# Altium PCB PCB1-recovery2.PcbDoc (part 2 of 5)
Units mil, origin at the board's own origin, x right, y up, seen from the top; angles counter-clockwise.
Board outline 7874.02 x 4566.93 mil, 8 copper layers (HIGH_SPEED_TOP, GND PLANE1, LOW_SPEED, +1V8_3V3_5V, +12V, SIGNAL, GND_PLANE3, HIGH_SPEED_BOT), stack 62.99 mil thick; 506 components, 435 nets, 2446 pads, 256 vias.
Unrouted connection lines stored in the file: 953.
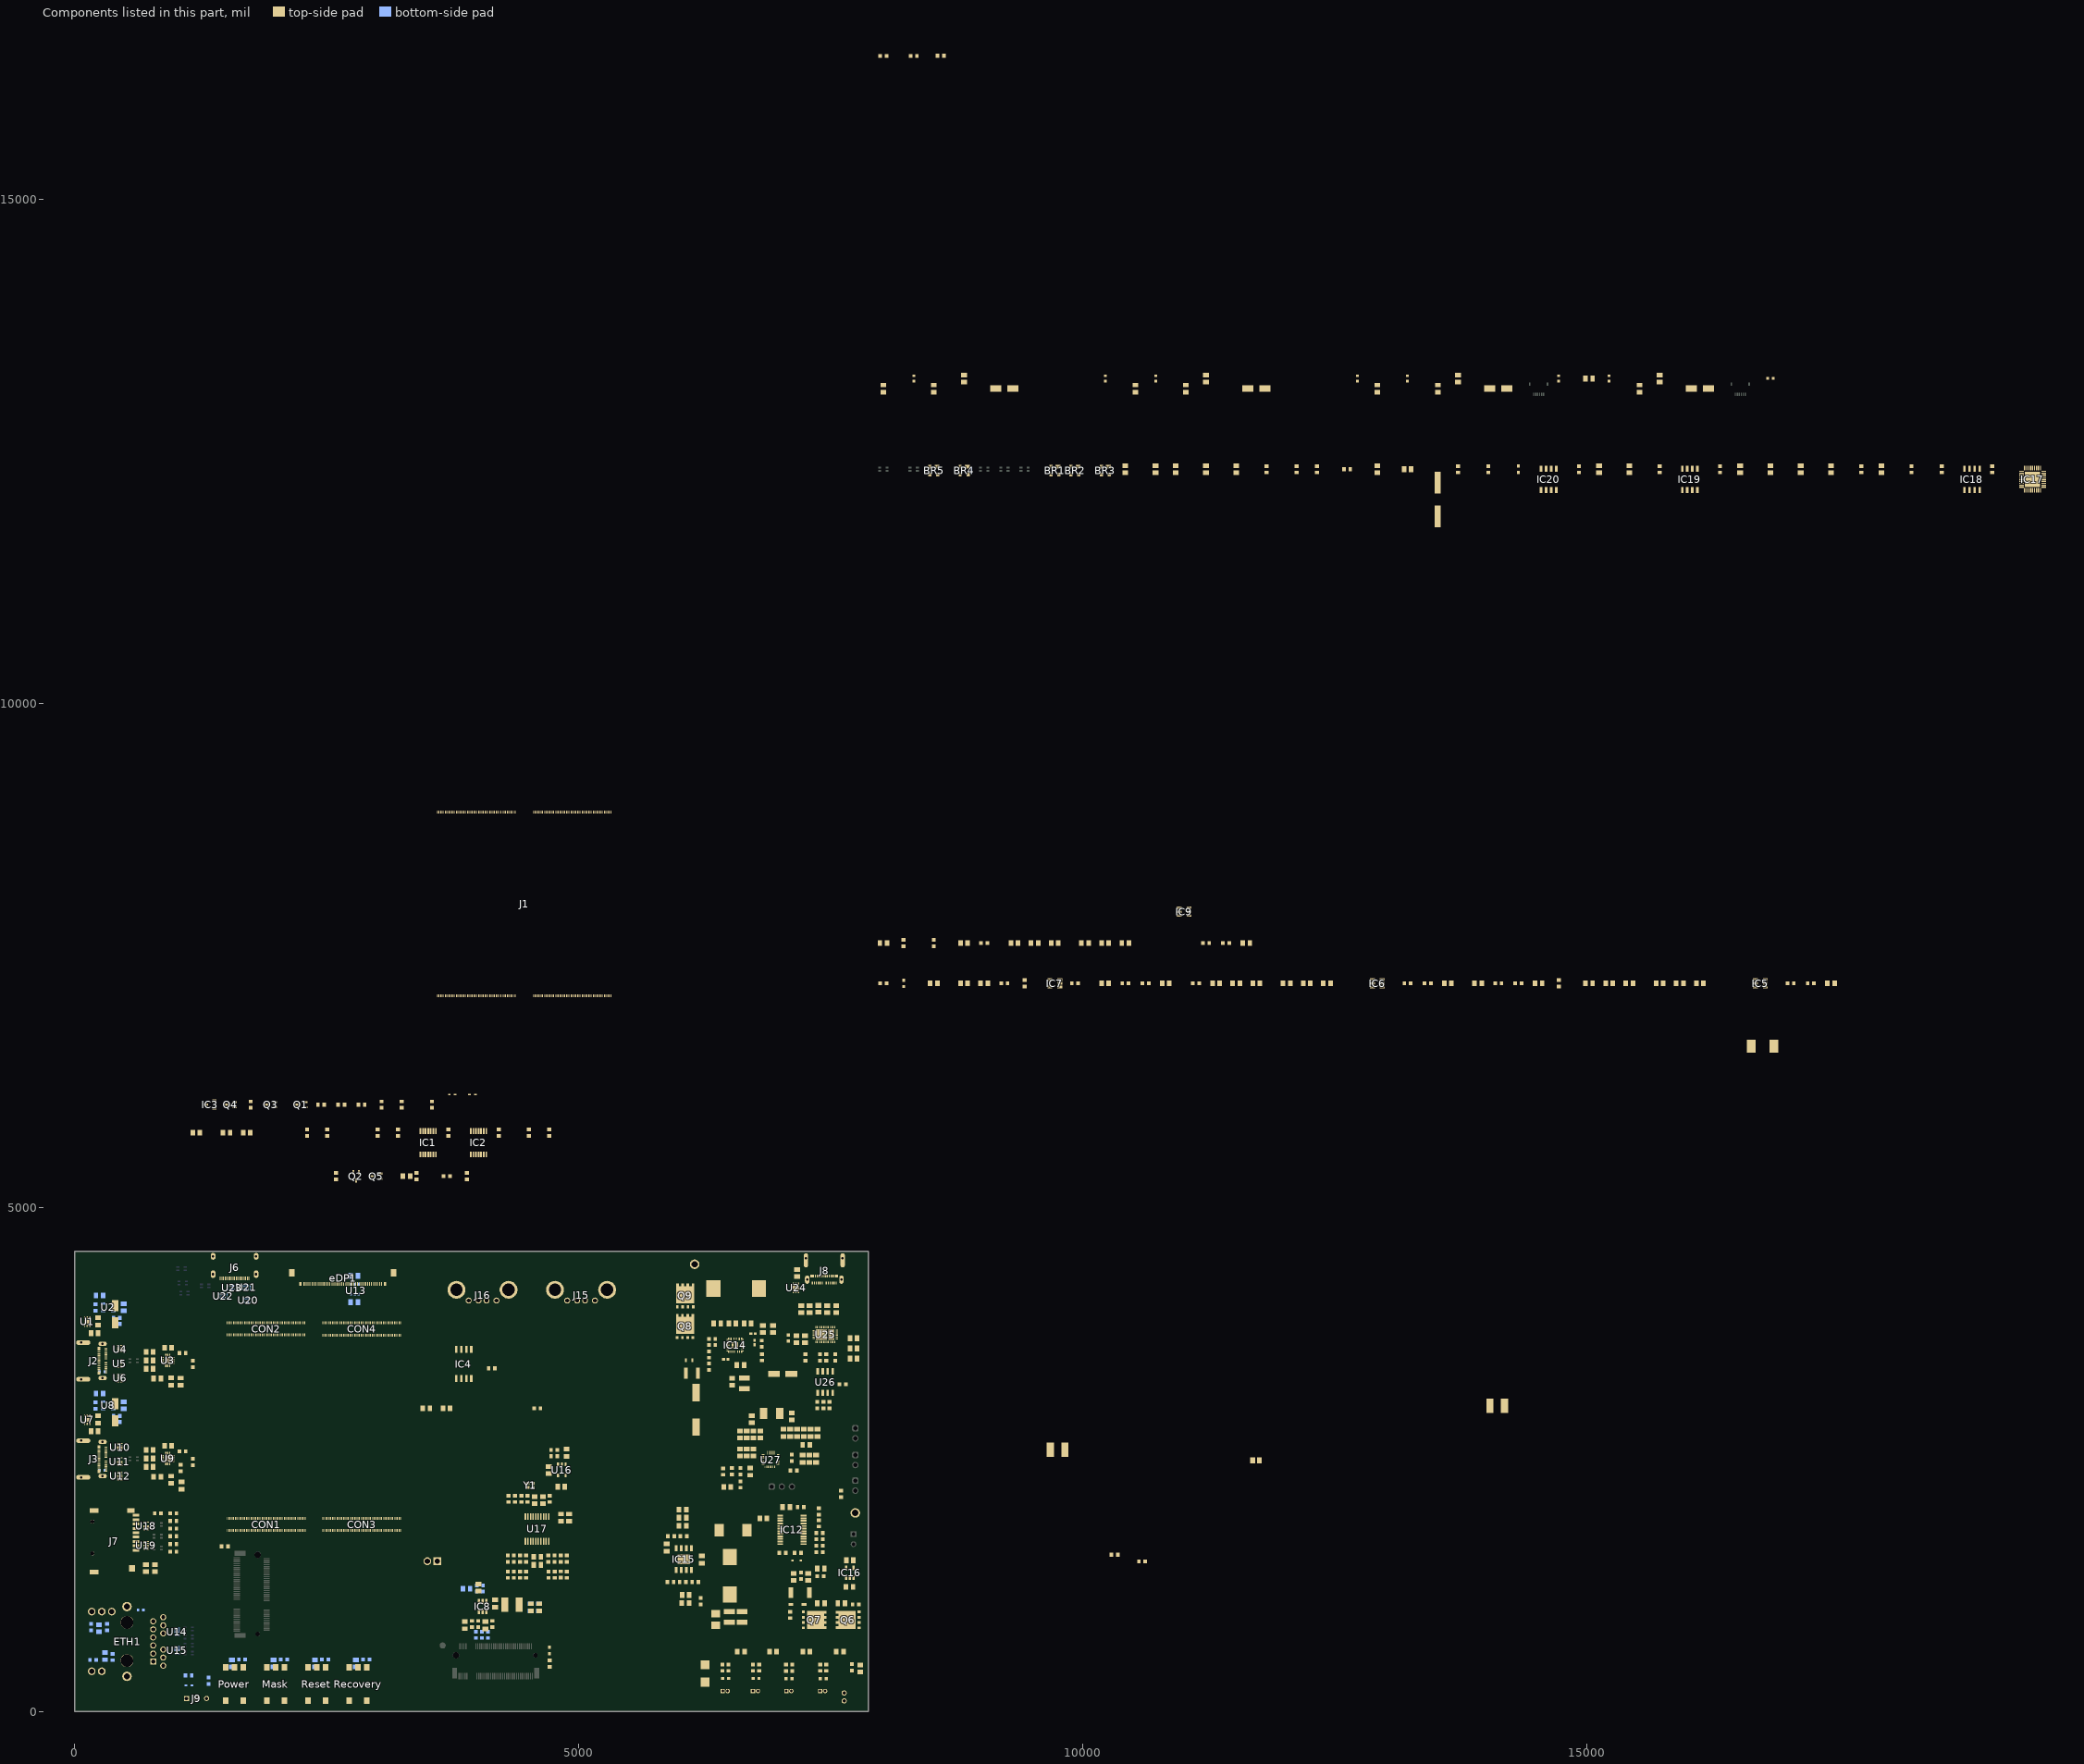
[diagram p8: the components of this part, seen from the top]

## Footprints (in the part's own frame and the unit in brackets; to place one, negate y for a bottom-side part, rotate by r counter-clockwise, add the part's x,y. Pads: shape width x height; smd on the part's side, far side on the other; paste and mask are expansions set on the pad) (continued)
CM3588 [mm]
  rect 0.7x0.2 smd: 1(-22.884,21.851) 3(-22.884,21.451) 5(-22.884,21.051) 7(-22.884,20.651) 9(-22.884,20.251) 11(-22.884,19.851) 13(-22.884,19.451) 15(-22.884,19.051) 17(-22.884,18.651) 19(-22.884,18.251) 21(-22.884,17.851) 23(-22.884,17.451) 25(-22.884,17.051) 27(-22.884,16.651) 29(-22.884,16.251) 31(-22.884,15.851) 33(-22.884,15.451) 35(-22.884,15.051) 37(-22.884,14.651) 39(-22.884,14.251) 41(-22.884,13.851) 43(-22.884,13.451) 45(-22.884,13.051) 47(-22.884,12.651) 49(-22.884,12.251) 51(-22.884,11.851) 53(-22.884,11.451) 55(-22.884,11.051) 57(-22.884,10.651) 59(-22.884,10.251) 61(-22.884,9.851) 63(-22.884,9.451) 65(-22.884,9.051) 67(-22.884,8.651) 69(-22.884,8.251) 71(-22.884,7.851) 73(-22.884,7.451) 75(-22.884,7.051) 77(-22.884,6.651) 79(-22.884,6.251) 81(-22.884,5.851) 83(-22.884,5.451) 85(-22.884,5.051) 87(-22.884,4.651) 89(-22.884,4.251) 91(-22.884,3.851) 93(-22.884,3.451) 95(-22.884,3.051) 97(-22.884,2.651) 99(-22.884,2.251) 102(23.326,21.851) 104(23.326,21.451) 106(23.326,21.051) 108(23.326,20.651) 110(23.326,20.251) 112(23.326,19.851) 114(23.326,19.451) 116(23.326,19.051) 118(23.326,18.651) 120(23.326,18.251) 122(23.326,17.851) 124(23.326,17.451) 126(23.326,17.051) 128(23.326,16.651) 130(23.326,16.251) 132(23.326,15.851) 134(23.326,15.451) 136(23.326,15.051) 138(23.326,14.651) 140(23.326,14.251) 142(23.326,13.851) 144(23.326,13.451) 146(23.326,13.051) 148(23.326,12.651) 150(23.326,12.251) 152(23.326,11.851) 154(23.326,11.451) 156(23.326,11.051) 158(23.326,10.651) 160(23.326,10.251) 162(23.326,9.851) 164(23.326,9.451) 166(23.326,9.051) 168(23.326,8.651) 170(23.326,8.251) 172(23.326,7.851) 174(23.326,7.451) 176(23.326,7.051) 178(23.326,6.651) 180(23.326,6.251) 182(23.326,5.851) 184(23.326,5.451) 186(23.326,5.051) 188(23.326,4.651) 190(23.326,4.251) 192(23.326,3.851) 194(23.326,3.451) 196(23.326,3.051) 198(23.326,2.651) 200(23.326,2.251) 201(-22.884,-2.251) 203(-22.884,-2.651) 205(-22.884,-3.051) 207(-22.884,-3.451) 209(-22.884,-3.851) 211(-22.884,-4.251) 213(-22.884,-4.651) 215(-22.884,-5.051) 217(-22.884,-5.451) 219(-22.884,-5.851) 221(-22.884,-6.251) 223(-22.884,-6.651) 225(-22.884,-7.051) 227(-22.884,-7.451) 229(-22.884,-7.851) 231(-22.884,-8.251) 233(-22.884,-8.651) 235(-22.884,-9.051) 237(-22.884,-9.451) 239(-22.884,-9.851) 241(-22.884,-10.251) 243(-22.884,-10.651) 245(-22.884,-11.051) 247(-22.884,-11.451) 249(-22.884,-11.851) 251(-22.884,-12.251) 253(-22.884,-12.651) 255(-22.884,-13.051) 257(-22.884,-13.451) 259(-22.884,-13.851) 261(-22.884,-14.251) 263(-22.884,-14.651) 265(-22.884,-15.051) 267(-22.884,-15.451) 269(-22.884,-15.851) 271(-22.884,-16.251) 273(-22.884,-16.651) 275(-22.884,-17.051) 277(-22.884,-17.451) 279(-22.884,-17.851) 281(-22.884,-18.251) 283(-22.884,-18.651) 285(-22.884,-19.051) 287(-22.884,-19.451) 289(-22.884,-19.851) 291(-22.884,-20.251) 293(-22.884,-20.651) 295(-22.884,-21.051) 297(-22.884,-21.451) 299(-22.884,-21.851) 302(23.326,-2.251) 304(23.326,-2.651) 306(23.326,-3.051) 308(23.326,-3.451) 310(23.326,-3.851) 312(23.326,-4.251) 314(23.326,-4.651) 316(23.326,-5.051) 318(23.326,-5.451) 320(23.326,-5.851) 322(23.326,-6.251) 324(23.326,-6.651) 326(23.326,-7.051) 328(23.326,-7.451) 330(23.326,-7.851) 332(23.326,-8.251) 334(23.326,-8.651) 336(23.326,-9.051) 338(23.326,-9.451) 340(23.326,-9.851) 342(23.326,-10.251) 344(23.326,-10.651) 346(23.326,-11.051) 348(23.326,-11.451) 350(23.326,-11.851) 352(23.326,-12.251) 354(23.326,-12.651) 356(23.326,-13.051) 358(23.326,-13.451) 360(23.326,-13.851) 362(23.326,-14.251) 364(23.326,-14.651) 366(23.326,-15.051) 368(23.326,-15.451) 370(23.326,-15.851) 372(23.326,-16.251) 374(23.326,-16.651) 376(23.326,-17.051) 378(23.326,-17.451) 380(23.326,-17.851) 382(23.326,-18.251) 384(23.326,-18.651) 386(23.326,-19.051) 388(23.326,-19.451) 390(23.326,-19.851) 392(23.326,-20.251) 394(23.326,-20.651) 396(23.326,-21.051) 398(23.326,-21.451) 400(23.326,-21.851)
  LOW_SPEED circle w0.254: c-24.289,-32.237 r1.6
  LOW_SPEED circle w0.254: c-24.255,26.769 r1.6
  LOW_SPEED circle w0.254: c24.733,26.792 r1.6
  LOW_SPEED circle w0.254: c24.758,-32.212 r1.6
  SIGNAL circle w0.254: c-24.289,-32.237 r3
  SIGNAL circle w0.254: c-24.255,26.769 r3
  SIGNAL circle w0.254: c24.733,26.792 r3
  SIGNAL circle w0.254: c24.758,-32.212 r3
  SIGNAL region: -23.819,-29.265 -23.36,-29.375 -22.923,-29.556 -22.521,-29.803 -22.162,-30.109 -21.855,-30.468 -21.608,-30.871 -21.427,-31.307 -21.317,-31.766 -21.28,-32.237 -21.317,-32.708 -21.427,-33.167 -21.608,-33.603 -21.855,-34.006 -22.162,-34.365 -22.521,-34.672 -22.923,-34.918 -23.36,-35.099 -23.819,-35.209 -24.289,-35.246 -24.76,-35.209 -25.219,-35.099 -25.656,-34.918 -26.058,-34.672 -26.417,-34.365 -26.724,-34.006 -26.971,-33.603 -27.151,-33.167 -27.262,-32.708 -27.299,-32.237 -27.262,-31.766 -27.151,-31.307 -26.971,-30.871 -26.724,-30.468 -26.417,-30.109 -26.058,-29.803 -25.656,-29.556 -25.219,-29.375 -24.76,-29.265 -24.289,-29.228
  SIGNAL region: -23.784,29.741 -23.325,29.631 -22.889,29.45 -22.486,29.203 -22.127,28.896 -21.82,28.537 -21.574,28.135 -21.393,27.698 -21.283,27.239 -21.246,26.769 -21.283,26.298 -21.393,25.839 -21.574,25.402 -21.82,25 -22.127,24.641 -22.486,24.334 -22.889,24.087 -23.325,23.907 -23.784,23.796 -24.255,23.759 -24.726,23.796 -25.185,23.907 -25.621,24.087 -26.024,24.334 -26.383,24.641 -26.69,25 -26.936,25.402 -27.117,25.839 -27.227,26.298 -27.264,26.769 -27.227,27.239 -27.117,27.698 -26.936,28.135 -26.69,28.537 -26.383,28.896 -26.024,29.203 -25.621,29.45 -25.185,29.631 -24.726,29.741 -24.255,29.778
  SIGNAL region: 25.203,29.765 25.662,29.654 26.099,29.474 26.501,29.227 26.86,28.92 27.167,28.561 27.414,28.159 27.595,27.722 27.705,27.263 27.742,26.792 27.705,26.322 27.595,25.863 27.414,25.426 27.167,25.024 26.86,24.665 26.501,24.358 26.099,24.111 25.662,23.93 25.203,23.82 24.733,23.783 24.262,23.82 23.803,23.93 23.366,24.111 22.964,24.358 22.605,24.665 22.298,25.024 22.051,25.426 21.871,25.863 21.76,26.322 21.723,26.792 21.76,27.263 21.871,27.722 22.051,28.159 22.298,28.561 22.605,28.92 22.964,29.227 23.366,29.474 23.803,29.654 24.262,29.765 24.733,29.802
  SIGNAL region: 25.229,-29.24 25.688,-29.35 26.124,-29.53 26.527,-29.777 26.886,-30.084 27.193,-30.443 27.439,-30.846 27.62,-31.282 27.73,-31.741 27.767,-32.212 27.73,-32.682 27.62,-33.142 27.439,-33.578 27.193,-33.981 26.886,-34.34 26.527,-34.646 26.124,-34.893 25.688,-35.074 25.229,-35.184 24.758,-35.221 24.287,-35.184 23.828,-35.074 23.392,-34.893 22.989,-34.646 22.63,-34.34 22.323,-33.981 22.077,-33.578 21.896,-33.142 21.786,-32.682 21.749,-32.212 21.786,-31.741 21.896,-31.282 22.077,-30.846 22.323,-30.443 22.63,-30.084 22.989,-29.777 23.392,-29.53 23.828,-29.35 24.287,-29.24 24.758,-29.202
CSD18514Q5A [mm]
  rect 0.75x0.675 smd: 1(2.757,-1.995) 2(2.757,-0.665) 3(2.757,0.665) 4(2.757,1.995)
  rect 0.675x0.655 smd: 5(-2.795,1.952) 6(-2.795,0.647) 7(-2.795,-0.647) 8(-2.795,-1.952)
  rect 4.295x4.56 smd: 9(-0.32,0)
  silkscreen extent -2.87,-2.45 4.01,2.45, body extent -3.13,-2.45 3.13,2.45, height 1.15
CUI_MSD-4-A [mm]
  rect 0.7x1.6 smd: 1(2.25,7.75) 2(1.15,7.75) 3(0.05,7.75) 4(-1.05,7.75) 5(-2.15,7.75) 6(-3.25,7.75) 7(-4.35,7.75) 8(-5.45,7.75) CD(-6.55,7.75)
  rect 1.2x1.8 smd: G1(-7.75,6.45)
  rect 1.6x1.5 smd: G2(6.85,6.7)
  rect 1.2x2.2 smd: G3(-7.75,-2.85) G4(7.75,-2.85)
  round 1 hole 1 unplated: ""(-4.95,-3.25) ""(3.05,-3.25)
  silkscreen extent -7.38,-7.25 7.38,9.2, body extent -8.07,-7.24 8.07,7.81, height 1.88
DBV0006_L [mm]
  rect 0.8x0.55 smd paste+0 mask+0: 1(-1.275,0.95) 2(-1.275,0) 3(-1.275,-0.95) 4(1.275,-0.95) 5(1.275,0) 6(1.275,0.95)
  round 0.254 on Bottom Overlay: ""(-2.032,1.397)
  silkscreen extent -1.55,-1.53 0.55,1.53, body extent -1.53,-1.45 1.27,1.45, height 1.2
DF40HC30100DS04V51_MOD [mm]
  rect 0.2x0.7 smd: 1(-9.8,1.54) 2(-9.8,-1.54) 3(-9.4,1.54) 4(-9.4,-1.54) 5(-9,1.54) 6(-9,-1.54) 7(-8.6,1.54) 8(-8.6,-1.54) 9(-8.2,1.54) 10(-8.2,-1.54) 11(-7.8,1.54) 12(-7.8,-1.54) 13(-7.4,1.54) 14(-7.4,-1.54) 15(-7,1.54) 16(-7,-1.54) 17(-6.6,1.54) 18(-6.6,-1.54) 19(-6.2,1.54) 20(-6.2,-1.54) 21(-5.8,1.54) 22(-5.8,-1.54) 23(-5.4,1.54) 24(-5.4,-1.54) 25(-5,1.54) 26(-5,-1.54) 27(-4.6,1.54) 28(-4.6,-1.54) 29(-4.2,1.54) 30(-4.2,-1.54) 31(-3.8,1.54) 32(-3.8,-1.54) 33(-3.4,1.54) 34(-3.4,-1.54) 35(-3,1.54) 36(-3,-1.54) 37(-2.6,1.54) 38(-2.6,-1.54) 39(-2.2,1.54) 40(-2.2,-1.54) 41(-1.8,1.54) 42(-1.8,-1.54) 43(-1.4,1.54) 44(-1.4,-1.54) 45(-1,1.54) 46(-1,-1.54) 47(-0.6,1.54) 48(-0.6,-1.54) 49(-0.2,1.54) 50(-0.2,-1.54) 51(0.2,1.54) 52(0.2,-1.54) 53(0.6,1.54) 54(0.6,-1.54) 55(1,1.54) 56(1,-1.54) 57(1.4,1.54) 58(1.4,-1.54) 59(1.8,1.54) 60(1.8,-1.54) 61(2.2,1.54) 62(2.2,-1.54) 63(2.6,1.54) 64(2.6,-1.54) 65(3,1.54) 66(3,-1.54) 67(3.4,1.54) 68(3.4,-1.54) 69(3.8,1.54) 70(3.8,-1.54) 71(4.2,1.54) 72(4.2,-1.54) 73(4.6,1.54) 74(4.6,-1.54) 75(5,1.54) 76(5,-1.54) 77(5.4,1.54) 78(5.4,-1.54) 79(5.8,1.54) 80(5.8,-1.54) 81(6.2,1.54) 82(6.2,-1.54) 83(6.6,1.54) 84(6.6,-1.54) 85(7,1.54) 86(7,-1.54) 87(7.4,1.54) 88(7.4,-1.54) 89(7.8,1.54) 90(7.8,-1.54) 91(8.2,1.54) 92(8.2,-1.54) 93(8.6,1.54) 94(8.6,-1.54) 95(9,1.54) 96(9,-1.54) 97(9.4,1.54) 98(9.4,-1.54) 99(9.8,1.54) 100(9.8,-1.54)
  body extent -11.3,-1.69 11.3,1.69, height 2.91
DIOM5336X250N [mm]
  rect 2.25x2.15 smd: 1(-2.2,0) 2(2.2,0)
  silkscreen extent -3.32,-1.87 2.65,1.81, body extent -2.68,-1.75 2.68,1.75, height 2.3
DIOM8059X290N [mm]
  rect 2.3x3.15 smd: 1(-3.5,0) 2(3.5,0)
  silkscreen extent -5.7,-2.95 4,3.21, body extent -4,-2.95 4,2.95, height 2.9
DQA0010A [mm]
  rect 0.55x0.2 smd paste+0 mask+0.051: 1(-0.425,1) 2(-0.425,0.5) 4(-0.425,-0.5) 5(-0.425,-1) 6(0.425,-1) 7(0.425,-0.5) 9(0.425,0.5) 10(0.425,1)
  rect 0.55x0.4 smd paste+0 mask+0.051: 3(-0.425,0) 8(0.425,0)
  silkscreen extent -0.67,-1.45 0.55,1.45, body extent -0.5,-1.25 0.5,1.25, height 0.55
EEE0GA101SR [mm]
  rect 2.8x1.6 smd: 1(-2.15,0) 2(2.15,0)
  silkscreen extent -2.65,-2.65 2.65,2.65, body extent -3,-2.65 3,2.65, height 5.8
HCM4924000000ABJT [mm]
  rect 5.5x1.5 smd: 1(-4.25,0) 2(4.25,0)
  silkscreen extent -8.2,-2.35 5.7,2.35, body extent -6.85,-2.35 6.85,2.35, height 4.4
HDMI_MINI [mm] "Mini HDMI SMT Horizontal"
  rect 0.23x1 smd: 1(3.6,3.75) 2(3.2,3.75) 3(2.8,3.75) 4(2.4,3.75) 5(2,3.75) 6(1.6,3.75) 7(1.2,3.75) 8(0.8,3.75) 9(0.4,3.75) 10(0,3.75) 11(-0.4,3.75) 12(-0.8,3.75) 13(-1.2,3.75) 14(-1.6,3.75) 15(-2,3.75) 16(-2.4,3.75) 17(-2.8,3.75) 18(-3.2,3.75) 19(-3.6,3.75)
  oval 1.2x1.7 hole 0.6 slot 1.1 at 90 deg: 20(-5.425,-1.8) 20(5.425,-1.8)
  oval 1.2x1.9 hole 0.6 slot 1.3 at 90 deg: 20(-5.425,2.7) 20(5.425,2.7)
  silkscreen extent -5.6,-0.65 5.6,3.8, body extent -5.62,-3.8 5.63,4.1, height 3.3
HDRV2W110P0X254_1X2_508X254X854P [mm]
  rect 1.95x1.95 hole 1.3: 1(0,0)
  round 1.95 hole 1.3: 2(2.54,0)
  silkscreen extent -1.34,-1.34 3.88,2.03, body extent -1.27,-1.27 3.81,1.27, height 8.54
HDRV3W64P0X254_1X3_762X254X864P [mm]
  rect 1.275x1.275 hole 0.85: 1(0,0)
  round 1.275 hole 0.85: 2(2.54,0) 3(5.08,0)
  silkscreen extent -1.45,-1.27 6.53,2.03, body extent -1.27,-1.27 6.35,1.27, height 8.64
IHLP-2020BZ [mm]
  rect 1.915x2.79 smd: 1(-2.038,0) 2(2.038,0)
  silkscreen extent -2.9,-2.7 2.9,2.7, body extent -2.87,-2.72 2.87,2.72, height 2
IND_MWSA0603S_SNL [mil]
  rect 87x128 smd paste+0 mask+0: 1(-112,0) 2(112,0)
  silkscreen extent -143,-139 143,139, body extent -144,-134 144,134, height 118
IND_WPN4020H_SNL [mil]
  rect 70x142 smd paste+0 mask+0: 1(-71.85,0) 2(71.85,0)
  HIGH_SPEED_TOP keep-out region: -26.57,-87.11 -26.57,87.11 25.59,87.11 25.59,-87.11
  HIGH_SPEED_TOP keep-out region: -80.5,-84.24 -80.5,-78.74 80.5,-78.74 80.5,-84.24
  HIGH_SPEED_TOP keep-out region: -80.99,81.61 -80.99,87.11 80.01,87.11 80.01,81.61
  Keep-Out Layer region: -25.59,-88.58 -25.59,87.6 25.59,87.6 25.59,-88.58
  silkscreen extent -86,-89 91,91, body extent -83,-81 83,84, height 81
INDC2012X105N [mm]
  rect 1.2x1.45 smd: 1(-0.85,0) 2(0.85,0)
  silkscreen extent 0,-0.52 0,0.52, body extent -1,-0.63 1,0.63, height 1.05
INDPM135126X650N [mm]
  rect 3.55x4.2 smd: 1(-5.75,0) 2(5.75,0)
  silkscreen extent -6.75,-6.3 6.75,6.3, body extent -6.75,-6.3 6.75,6.3, height 6.5
IPEX_20455-040E-76 [mm]
  rect 0.25x0.9 smd: 1(-9.75,1.92) 2(-9.25,1.92) 3(-8.75,1.92) 4(-8.25,1.92) 5(-7.75,1.92) 6(-7.25,1.92) 7(-6.75,1.92) 8(-6.25,1.92) 9(-5.75,1.92) 10(-5.25,1.92) 11(-4.75,1.92) 12(-4.25,1.92) 13(-3.75,1.92) 14(-3.25,1.92) 15(-2.75,1.92) 16(-2.25,1.92) 17(-1.75,1.92) 18(-1.25,1.92) 19(-0.75,1.92) 20(-0.25,1.92) 21(0.25,1.92) 22(0.75,1.92) 23(1.25,1.92) 24(1.75,1.92) 25(2.25,1.92) 26(2.75,1.92) 27(3.25,1.92) 28(3.75,1.92) 29(4.25,1.92) 30(4.75,1.92) 31(5.25,1.92) 32(5.75,1.92) 33(6.25,1.92) 34(6.75,1.92) 35(7.25,1.92) 36(7.75,1.92) 37(8.25,1.92) 38(8.75,1.92) 39(9.25,1.92) 40(9.75,1.92)
  rect 0.55x0.9 smd: S1(-10.65,1.92) S3(10.65,1.92)
  rect 1.4x1.9 smd: S2(-12.85,-0.9) S4(12.85,-0.9)
  silkscreen extent -12.23,-1.9 12.23,3, body extent -13.13,-1.96 13.13,1.99, height 0.98
KEYSTONE_5006 [mm]
  round 2.4 hole 1.6: TP(0,0)
  silkscreen extent -1.59,-1.59 1.59,1.59, body extent -1.59,-1.59 1.59,1.59, height 5.59
L20_PER-M [mil]
  rect 68x14 smd paste+0 mask+0: 1(-122.5,115.16) 2(-122.5,89.57) 3(-122.5,63.98) 4(-122.5,38.39) 5(-122.5,12.8) 6(-122.5,-12.8) 7(-122.5,-38.39) 8(-122.5,-63.98) 9(-122.5,-89.57) 10(-122.5,-115.16) 11(122.5,-115.16) 12(122.5,-89.57) 13(122.5,-63.98) 14(122.5,-38.39) 15(122.5,-12.8) 16(122.5,12.8) 17(122.5,38.39) 18(122.5,63.98) 19(122.5,89.57) 20(122.5,115.16)
  silkscreen extent -176,-135 176,135, body extent -134,-130 134,130, height 47
LED_LTST-C190 [mm]
  rect 0.8x0.8 smd: 1(-0.75,0) 2(0.75,0)
  silkscreen extent -1.1,-0.8 1.8,0.8, body extent -0.85,-0.45 0.85,0.45, height 0.9
QFN50P250X250X80-15N [mm]
  rect 0.7x0.3 smd: 1(-1.3,0.5) 2(-1.3,0) 3(-1.3,-0.5) 8(1.3,-0.5) 9(1.3,0) 10(1.3,0.5)
  rect 0.3x0.7 smd: 4(-0.75,-1.3) 5(-0.25,-1.3) 6(0.25,-1.3) 7(0.75,-1.3) 11(0.75,1.3) 12(0.25,1.3) 13(-0.25,1.3) 14(-0.75,1.3)
  rect 1.5x1.5 smd: 15(0,0)
  silkscreen extent -1.7,0.97 -1.45,1.22, body extent -1.3,-1.3 1.3,1.3, height 0.8
QFN50P600X600X100-37N-D [mm]
  rect 1.15x0.3 smd: 1(-2.8,2) 2(-2.8,1.5) 3(-2.8,1) 4(-2.8,0.5) 5(-2.8,0) 6(-2.8,-0.5) 7(-2.8,-1) 8(-2.8,-1.5) 9(-2.8,-2) 19(2.8,-2) 20(2.8,-1.5) 21(2.8,-1) 22(2.8,-0.5) 23(2.8,0) 24(2.8,0.5) 25(2.8,1) 26(2.8,1.5) 27(2.8,2)
  rect 0.3x1.15 smd: 10(-2,-2.8) 11(-1.5,-2.8) 12(-1,-2.8) 13(-0.5,-2.8) 14(0,-2.8) 15(0.5,-2.8) 16(1,-2.8) 17(1.5,-2.8) 18(2,-2.8) 28(2,2.8) 29(1.5,2.8) 30(1,2.8) 31(0.5,2.8) 32(0,2.8) 33(-0.5,2.8) 34(-1,2.8) 35(-1.5,2.8) 36(-2,2.8)
  rect 3.85x3.85 smd: 37(0,0)
  silkscreen extent -4.06,2.16 -3.81,2.41, body extent -3.05,-3.05 3.05,3.05, height 1
RESC1005X40N [mm]
  rect 0.75x0.6 smd: 1(-0.55,0) 2(0.55,0)
  body extent -0.5,-0.25 0.5,0.25, height 0.35
RESC1608X55N [mm]
  rect 0.9x1 smd: 1(-0.8,0) 2(0.8,0)
  silkscreen extent 0,-0.33 0,0.33, body extent -0.8,-0.4 0.8,0.4, height 0.45
RESC5025X70N [mm]
  rect 1.2x2.7 smd: 1(0,0) 2(4.7,0)
  silkscreen extent 2.35,-1.15 2.35,1.15, body extent -0.15,-1.25 4.85,1.25, height 0.7
RJ-45 [mm]
  rect 1.53x1.53 hole 1.02: 1(-5.08,-6.604)
  round 1.53 hole 1.02: 2(-3.048,-6.604) 3(-1.016,-6.604) 4(1.016,-6.604) 5(3.048,-6.604) 6(5.08,-6.604) 7(-6.096,-9.144) 8(-4.064,-9.144) 9(-2.032,-9.144) 10(2.032,-9.144) 11(4.064,-9.144) 12(6.096,-9.144)
  round 1.905 hole 1.27: 13(-7.518,6.35) 14(-7.518,8.89) 15(7.518,3.81) 16(7.518,6.35) 17(7.518,8.89)
  round 2.355 hole 1.57: S1(-8.788,0) S2(8.788,0)
  round 3.25 hole 3.25 unplated: ""(-4.826,0) ""(4.826,0)
  Keep-Out Layer region: 1.397,-11.176 -1.397,-11.176 -1.397,-8.382 1.397,-8.382
  Keep-Out Layer region: 9.5,-11.176 7.112,-11.176 7.112,10.16 -7.112,10.16 -7.112,-11.176 -9.55,-11.176 -9.55,13.208 9.5,13.208
  Keep-Out Layer region: 1.397,-11.176 -1.397,-11.176 -1.397,-8.382 1.397,-8.382
  Keep-Out Layer region: 9.5,-11.176 7.112,-11.176 7.112,10.16 -7.112,10.16 -7.112,-11.176 -9.55,-11.176 -9.55,13.208 9.5,13.208
  silkscreen extent -9.6,-10.79 8.79,13.21, body extent -10.31,-10.79 10.05,13.71, height 12.51
RJK0038B-C01-MFG [mm]
  rrect50% 0.6x0.2 smd paste+0 mask-1000: 1(-2.9,1) 2(-2.9,0.6) 3(-2.9,0.2) 4(-2.9,-0.2) 5(-2.9,-0.6) 6(-2.9,-1)
  rrect50% 0.2x0.6 smd paste+0 mask-1000: 7(-2.4,-1.9) 8(-2,-1.9) 9(-1.6,-1.9) 10(-1.2,-1.9) 11(-0.8,-1.9) 12(-0.4,-1.9) 13(0,-1.9) 14(0.4,-1.9) 15(0.8,-1.9) 16(1.2,-1.9) 17(1.6,-1.9) 18(2,-1.9) 19(2.4,-1.9) 26(2.4,1.9) 27(2,1.9) 28(1.6,1.9) 29(1.2,1.9) 30(0.8,1.9) 31(0.4,1.9) 35(-1.2,1.9) 36(-1.6,1.9) 37(-2,1.9) 38(-2.4,1.9)
  rrect50% 0.6x0.229 smd paste-1000 mask-1000: 20(2.9,-1.125) 25(2.9,1.125)
  rrect50% 0.6x0.2 smd paste-1000 mask-1000: 21(2.9,-0.65) 22(2.9,-0.2) 23(2.9,0.2) 24(2.9,0.65)
  rrect50% 0.2x0.6 smd paste-1000 mask-1000: 32(0,1.9)
  rrect50% 0.178x0.6 smd paste-1000 mask-1000: 33(-0.4,1.905)
  rrect50% 0.178x0.6 smd paste-1000 mask-1.27: 34(-0.8,1.9)
  rrect4% 2.72x2.65 smd paste-1000 mask-1000: 39(-0.965,0)
  rrect7% 1.53x2.65 smd paste-1000 mask-1000: 40(1.56,0)
  silkscreen extent -3.97,-2.05 3.05,2.05, body extent -3.3,-2.3 3.35,2.35, height 0.25
RQM0029A-MFG [mm]
  round 0.192 smd: 1(-1.369,1.631)
  rrect50% 0.6x0.2 smd: 2(-1.9,1.2) 3(-1.9,0.8) 4(-1.9,0.4) 5(-1.9,0) 6(-1.9,-0.4) 7(-1.9,-0.8) 8(-1.9,-1.2) 20(1.9,0) 21(1.9,0.4) 22(1.9,0.8) 23(1.9,1.2)
  round 0.158 smd: 9(-1.413,-1.937)
  rrect50% 0.2x0.6 smd: 10(-1,-1.9) 11(-0.6,-1.9) 12(-0.2,-1.9) 13(0.2,-1.9) 14(0.6,-1.9) 15(1,-1.9)
  round 0.175 smd: 16(1.431,-1.631) 24(1.381,1.631)
  rrect50% 0.7x0.2 smd: 17(1.85,-1.2)
  rrect50% 0.65x0.2 smd: 18(1.875,-0.8)
  rrect50% 0.68x0.2 smd: 19(1.86,-0.4)
  rrect50% 0.2x1 smd: 25(0.9,1.7) 26(0.45,1.7) 27(0,1.7) 28(-0.45,1.7)
  rrect50% 0.2x0.95 smd: 29(-0.9,1.725)
  HIGH_SPEED_TOP region: -2.2,1.66 -2.192,1.678 -2.178,1.692 -2.16,1.7 -2.15,1.7 -1.45,1.7 -1.45,2.16 -1.442,2.178 -1.428,2.192 -1.41,2.2 -1.3,2.2 -1.29,2.2 -1.272,2.192 -1.258,2.178 -1.25,2.16 -1.25,1.55 -1.25,1.54 -1.258,1.522 -1.272,1.508 -1.29,1.5 -1.3,1.5 -2.15,1.5 -2.16,1.5 -2.178,1.508 -2.192,1.522 -2.2,1.54 -2.2,1.55
  HIGH_SPEED_TOP region: -2.2,-1.66 -2.192,-1.678 -2.178,-1.692 -2.16,-1.7 -1.5,-1.7 -1.5,-2.15 -1.5,-2.16 -1.492,-2.178 -1.478,-2.192 -1.46,-2.2 -1.45,-2.2 -1.35,-2.2 -1.34,-2.2 -1.322,-2.192 -1.308,-2.178 -1.3,-2.16 -1.3,-2.15 -1.3,-1.55 -1.3,-1.54 -1.308,-1.522 -1.322,-1.508 -1.34,-1.5 -1.35,-1.5 -2.15,-1.5 -2.16,-1.5 -2.178,-1.508 -2.192,-1.522 -2.2,-1.54 -2.2,-1.55